# Altium PCB main - Copy.PcbDoc (part 11 of 14)
Units mil, origin at the board's own origin, x right, y up, seen from the top; angles counter-clockwise.
Board outline 8394.55 x 5164.44 mil, 7 copper layers (Top Layer 1, Layer 2, Layer 3, Unused, Layer 4_pow, Layer 5_gnd, Bottom 6+gnd), stack 46.112 mil thick; 406 components, 463 nets, 1919 pads, 903 vias.
Unrouted connection lines stored in the file: 147.
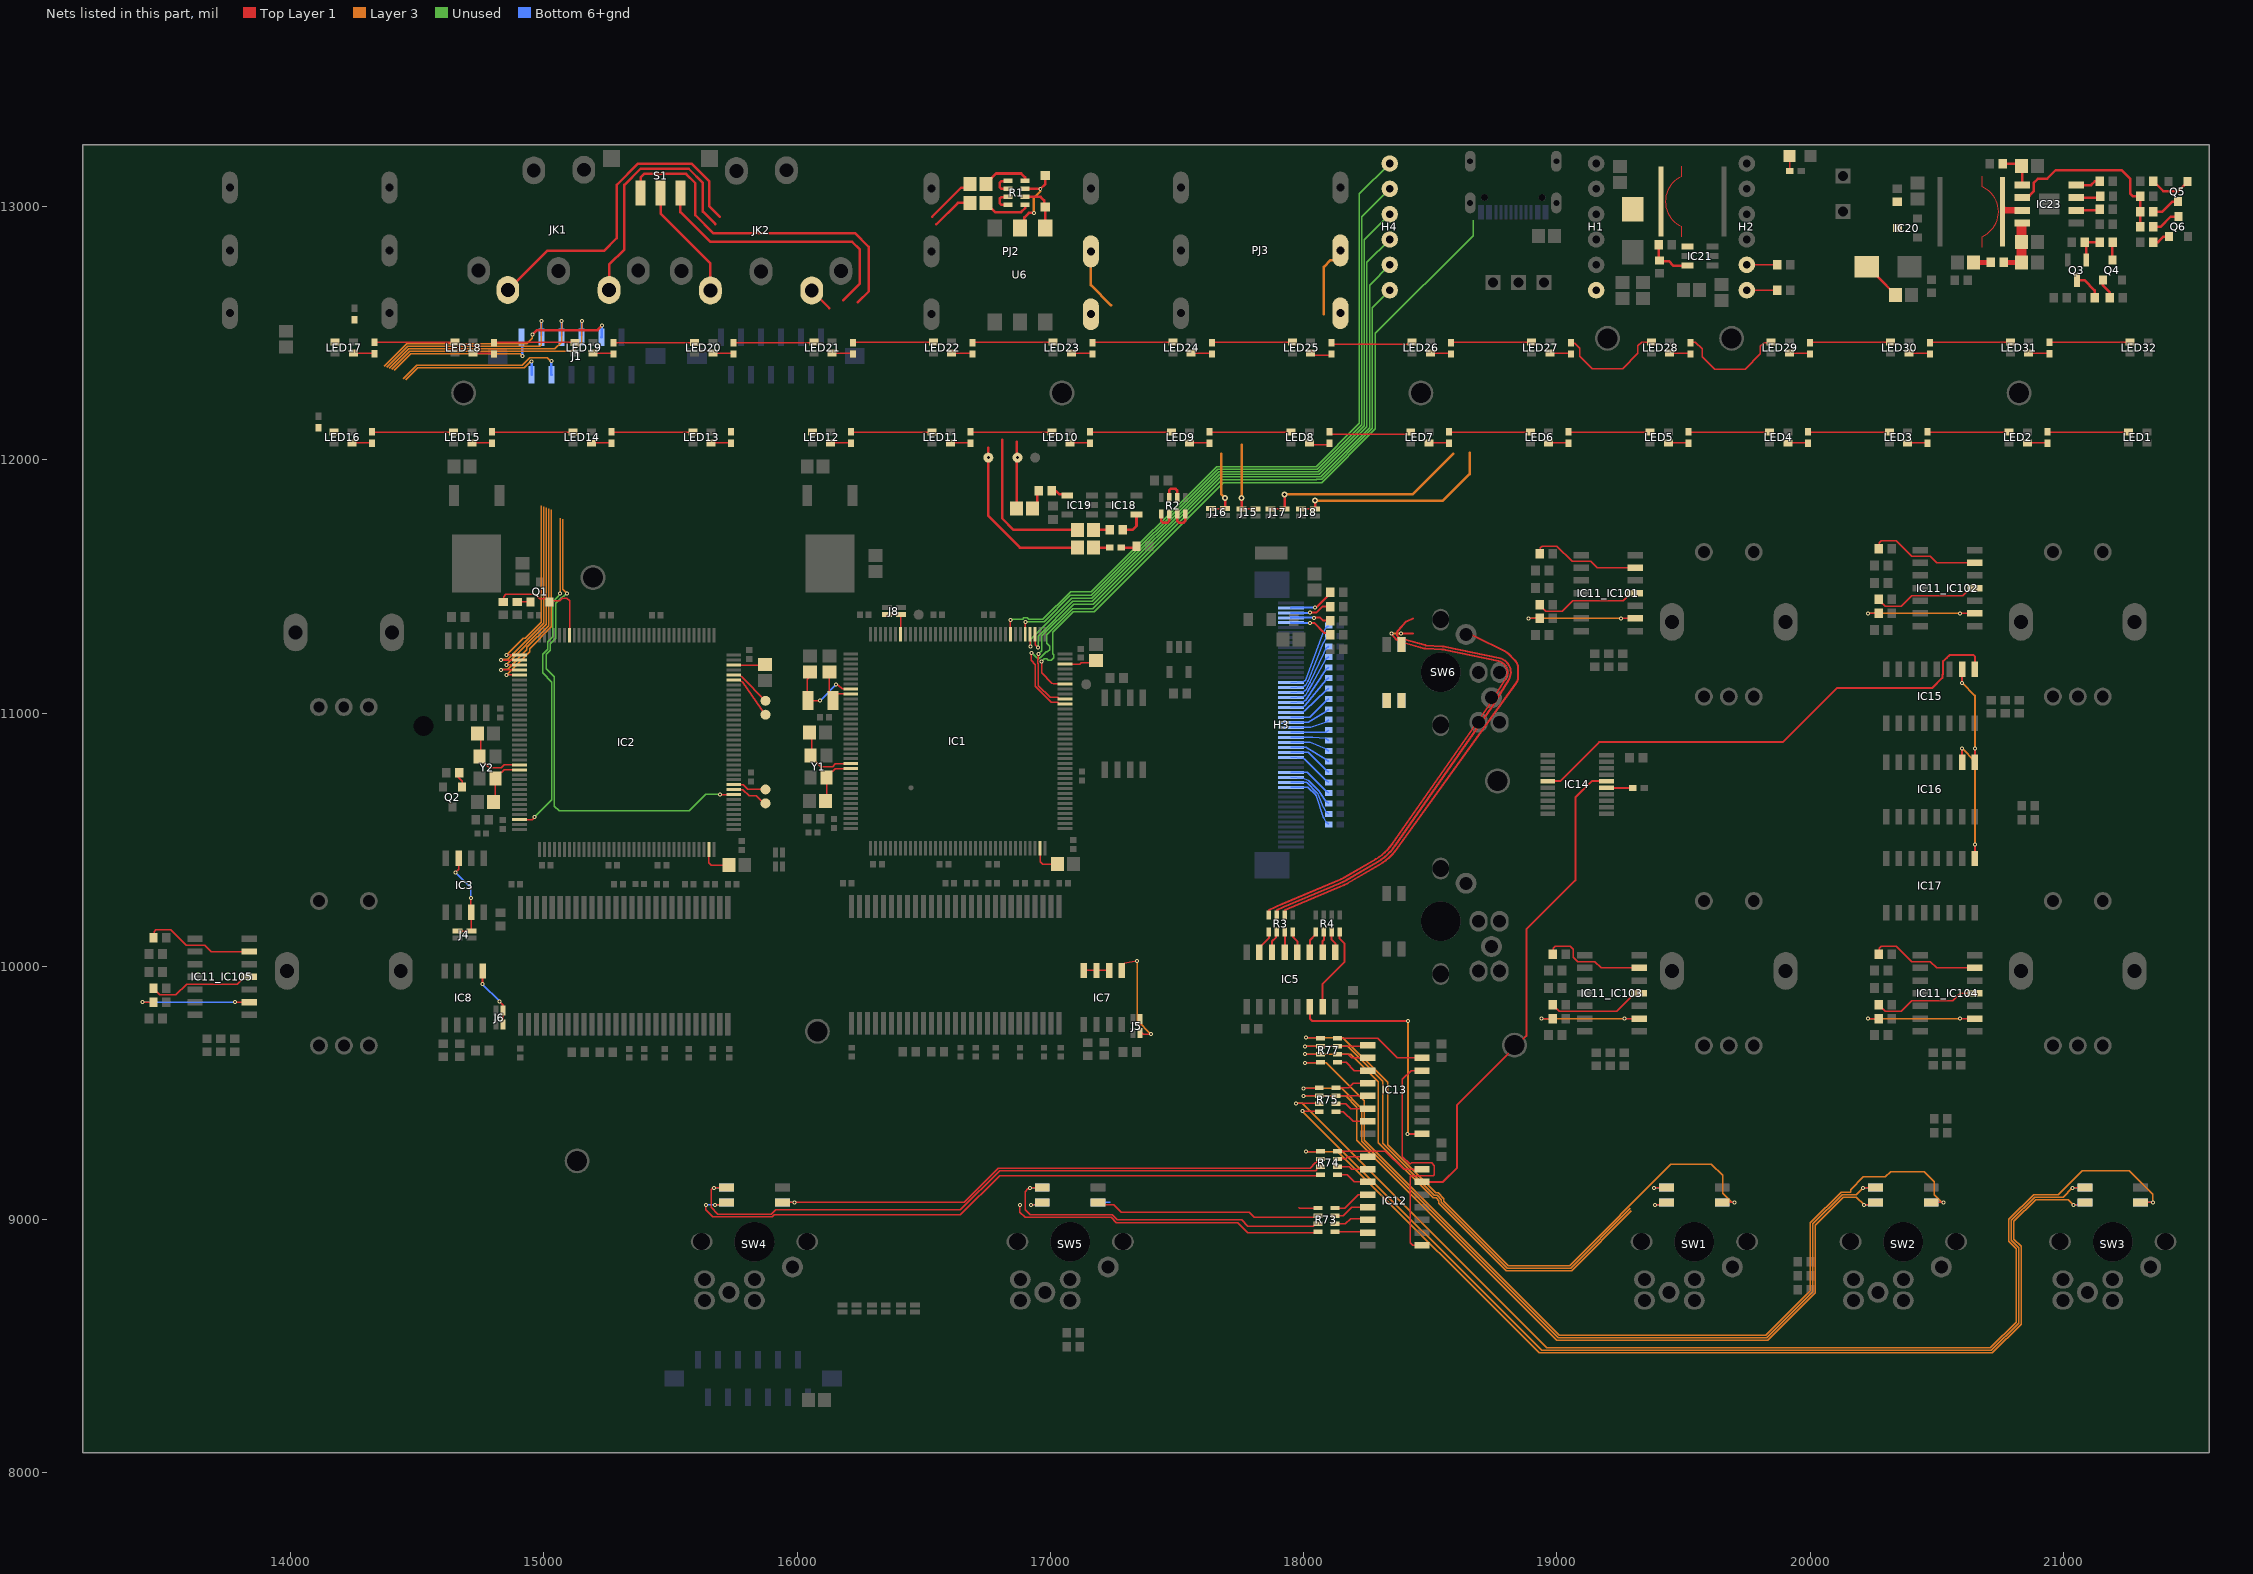
[diagram p15: the nets of this part, all layers, seen from the top]

## Via types
v1: diameter 15.75, hole 7.87, Top Layer 1 to Bottom 6+gnd, tented both sides, 830 vias
v2: diameter 27.56, hole 11.81, Top Layer 1 to Bottom 6+gnd, 45 vias
v3: diameter 23.62/23.62/23.62/23.62/23.62/23.62/23.62 (per signal layer), hole 12, Top Layer 1 to Bottom 6+gnd, tented top, 12 vias
v4: diameter 15.75, hole 7.87, Top Layer 1 to Bottom 6+gnd, 10 vias
v5: diameter 23.62/23.62/23.62/23.62/23.62/23.62/23.62 (per signal layer), hole 12, Top Layer 1 to Bottom 6+gnd, tented bottom, 6 vias

## Nets (pads, with @x,y where several pads share a name; then routed paths per layer and width w, separated by ;. In a path a pad name is that pad's centre, name@x,y a point inside that pad or via, vN(x,y) a via of type N, cw(c..) or ccw(c..) an arc to the next point about the centre after c; other vN are vias at no path point) (continued)
LED_N_B_1: R73.3 SW5.2 | length 1382.3
  Top Layer 1 w5: SW5.2@16967.82,9126.65 16967.04,9125.86 16916.13,9125.86 16911.86,9121.6 16911.56,9121.6 16900,9110.04 16900,9038.82 16920,9018.82 17244.14,9018.82 17264.14,8998.82 17755,8998.82 17780,8973.82 18038.43,8973.82 18047.68,8983.07 R73.3@18056.54,8983.07
  Bottom 6+gnd w5: v1(16919.03,9125.86) 16967.04,9125.86 SW5.2@16967.82,9126.65
LED_N_G_1: R73.4 SW5.1 | length 1303.2
  Top Layer 1 w5: v1(16880,9058.82) 16880,9028.82 16900,9008.82 17240,9008.82 17260,8988.82 17740,8988.82 17780,8948.82 18053.78,8948.82 R73.4@18056.54,8951.57 ; v1(16922.86,9058.82) 16936.68,9058.82
  Bottom 6+gnd w5: v1(16922.86,9058.82) 16959.05,9058.82 SW5.1@16967.82,9067.59
LED_N_R_1: R73.2 SW5.4 | length 943.8
  Top Layer 1 w5: SW5.4@17188.3,9067.59 17197.07,9058.82 17250,9058.82 17280,9028.82 17785,9028.82 17805,9008.82 18050.79,9008.82 R73.2@18056.54,9014.57
  Bottom 6+gnd w5: SW5.4@17188.3,9067.59 17189.33,9068.63 17236.68,9068.63
LED_PLY_B_1: R75.1 SW2.2 | length 3261.2
  Top Layer 1 w5: v1(18000,9518.82) 18059.29,9518.82 R75.1@18061.54,9521.06 ; v1@20203.39,9125.86 v1(20208.7,9125.86) 20256.7,9125.86 SW2.2@20257.49,9126.65
  Layer 3 w5: v1(18000,9518.82) 18150,9518.82 18230,9438.82 18230,9308.82 19005,8533.82 19829.14,8533.82 20010,8714.68 20010,8982.96 20125.86,9098.82 20181.65,9098.82 v1(20208.7,9125.86)
  Bottom 6+gnd w5: v1(20208.7,9125.86) 20256.7,9125.86 SW2.2@20257.49,9126.65
LED_PLY_G_1: R75.2 SW2.1 | length 3216.8
  Top Layer 1 w5: v1(18000,9488.82) 18060.79,9488.82 R75.2@18061.54,9489.57 ; v1(20212.53,9058.82) 20226.34,9058.82
  Layer 3 w5: v1(18000,9488.82) 18165.86,9488.82 18210,9444.68 18210,9313.82 19000,8523.82 19833.28,8523.82 20020,8710.53 20020,8978.82 20130,9088.82 20182.53,9088.82 v1(20212.53,9058.82)
  Bottom 6+gnd w5: v1(20212.53,9058.82) 20248.71,9058.82 SW2.1@20257.49,9067.59
LED_PLY_R_1: R77.4 SW2.4 | length 3728.3
  Top Layer 1 w5: v1(18005,9618.82) 18063.78,9618.82 R77.4@18066.54,9621.57 ; SW2.4@20477.96,9067.59 20479,9068.63 v1(20526.34,9068.63)
  Layer 3 w5: v1(18005,9618.82) 18090,9618.82 18240,9468.82 18240,9312.96 19009.14,8543.82 19825,8543.82 20000,8718.82 20000,8987.1 20121.72,9108.82 20160,9108.82 20160,9118.82 20210,9168.82 20297.1,9168.82 20317.1,9188.82 20450,9188.82 20490,9148.82 20490,9098.82 20521.2,9067.62 20525.34,9067.62 v1(20526.34,9068.63)
  Bottom 6+gnd w5: SW2.4@20477.96,9067.59 20479,9068.63 v1(20526.34,9068.63)
LED_REC_B_1: R77.2 SW1.2 | length 2055.2
  Top Layer 1 w5: v1(18005,9683.82) 18065.79,9683.82 R77.2@18066.54,9684.57 ; v1(19383.59,9125.86) 19431.59,9125.86 SW1.2@19432.38,9126.65
  Layer 3 w5: v1(18005,9683.82) 18175,9683.82 18312.07,9546.75 18312.07,9300.89 18516.52,9096.44 18526.79,9096.44 18543.96,9079.27 18543.96,9069 18804.14,8808.82 19054.14,8808.82 19290,9044.68
  Bottom 6+gnd w5: v1(19383.59,9125.86) 19431.59,9125.86 SW1.2@19432.38,9126.65
LED_REC_G_1: R77.3 SW1.1 | length 2011.9
  Top Layer 1 w5: v1(18005,9653.82) 18065.79,9653.82 R77.3@18066.54,9653.07 ; v1(19387.42,9058.82) 19401.23,9058.82
  Layer 3 w5: v1(18005,9653.82) 18185,9653.82 18295,9543.82 18295,9303.82 18512.38,9086.44 18522.65,9086.44 18533.96,9075.12 18533.96,9064.86 18800,8798.82 19058.28,8798.82 19294.14,9034.68
  Bottom 6+gnd w5: v1(19387.42,9058.82) 19423.6,9058.82 SW1.1@19432.38,9067.59
LED_REC_R_1: R77.1 SW1.4 | length 2638.8
  Top Layer 1 w5: v1(18010,9718.82) 18063.78,9718.82 R77.1@18066.54,9716.06 ; SW1.4@19652.85,9067.59 19653.88,9068.63 v1(19701.23,9068.63)
  Layer 3 w5: v1(18010,9718.82) 18155,9718.82 18331.64,9542.18 18331.64,9295.46 18520.67,9106.44 18530.93,9106.44 18553.96,9083.41 18553.96,9073.14 18808.28,8818.82 19050,8818.82 19450,9218.82 19610,9218.82 19653.94,9174.88 19653.94,9104.88 19689.84,9068.98 19700.88,9068.98 v1(19701.23,9068.63)
  Bottom 6+gnd w5: SW1.4@19652.85,9067.59 19653.88,9068.63 v1(19701.23,9068.63)
LED_SINGLE_1: R73.1 | length 77.7
  Top Layer 1 w5: 17980,9048.82 17982.76,9046.06 R73.1@18056.54,9046.06
LED_STP_B_1: R75.4 SW3.2 | length 4147
  Top Layer 1 w5: v1(17995,9428.82) 18059.29,9428.82 R75.4@18061.54,9426.57 ; v1@21030.16,9125.86 v1(21035.47,9125.86) 21083.47,9125.86 SW3.2@21084.26,9126.65
  Layer 3 w5: v1(17995,9428.82) 18940,8483.82 20715,8483.82 20822.93,8591.75 20822.93,8890.03 20794.14,8918.82 20794.14,8997.1 20885.86,9088.82 20998.42,9088.82 v1(21035.47,9125.86)
  Bottom 6+gnd w5: v1(21035.47,9125.86) 21083.47,9125.86 SW3.2@21084.26,9126.65
LED_STP_G_1: R74.1 SW3.1 | length 4015.5
  Top Layer 1 w5: v1(18010,9268.82) 18064.29,9268.82 R74.1@18066.54,9271.06 ; v1(21039.3,9058.82) 21053.11,9058.82
  Layer 3 w5: v1(18010,9268.82) 18135,9268.82 18930,8473.82 20719.14,8473.82 20832.93,8587.61 20832.93,8894.17 20804.14,8922.96 20804.14,8992.96 20890,9078.82 21019.3,9078.82 v1(21039.3,9058.82)
  Bottom 6+gnd w5: v1(21039.3,9058.82) 21075.48,9058.82 SW3.1@21084.26,9067.59
LED_STP_R_1: R75.3 SW3.4 | length 4611.1
  Top Layer 1 w5: v1(17970,9458.82) 18060.79,9458.82 R75.3@18061.54,9458.07 ; SW3.4@21304.73,9067.59 21305.77,9068.63 v1(21353.11,9068.63)
  Layer 3 w5: v1(17970,9458.82) 17995,9458.82 18960,8493.82 20710.86,8493.82 20812.93,8595.89 20812.93,8885.89 20784.14,8914.68 20784.14,9001.25 20881.72,9098.82 20980,9098.82 21075,9193.82 21260,9193.82 21353.11,9100.7 v1(21353.11,9068.63)
  Bottom 6+gnd w5: SW3.4@21304.73,9067.59 21305.77,9068.63 v1(21353.11,9068.63)
LED_UP_B_1: R3.3 SW6.2 | length 1953.7
  Top Layer 1 w8: 17894.25,10222.28 17920.38,10234.12 cw(c17925.75,10222.28) 17920.65,10234.24 18141.11,10326.65 ccw(c18056.25,10529.09) 18166.74,10339.43 18291.24,10412.08 ccw(c18180.42,10601.98) 18360.75,10476.19 18743.28,11024.57 ccw(c18691.34,11060.81) 18745.06,11027.27 18809.06,11129.87 ccw(c18759.45,11160.81) 18771.53,11218.01 18562.6,11261.95 ccw(c18541.34,11160.81) 18547.4,11263.98 18482.27,11267.83 cw(c18483.09,11281.81) 18479.36,11268.32 18399.17,11290.47 cw(c18401.57,11299.14) 18398.39,11290.72 18379.04,11298.03 cw(c18385,11313.82) 18372.41,11325.06 18405.57,11362.2 18431.1,11374.34
LED_UP_G_1: R3.4 SW6.1 | length 1966.6
  Top Layer 1 w8: 17862.76,10222.28 17915.02,10245.97 cw(c17925.75,10222.28) 17915.63,10246.23 18136.08,10338.64 ccw(c18056.25,10529.09) 18160.19,10350.65 18284.69,10423.31 ccw(c18180.42,10601.98) 18350.09,10483.63 18732.62,11032.01 ccw(c18691.34,11060.81) 18734.05,11034.17 18798.02,11136.75 ccw(c18759.45,11160.81) 18768.8,11205.3 18559.93,11249.23 ccw(c18541.34,11160.81) 18546.66,11251 18481.49,11254.86 cw(c18483.09,11281.81) 18475.9,11255.79 18395.71,11277.94 cw(c18401.57,11299.14) 18393.8,11278.56 18374.44,11285.87 cw(c18385,11313.82) 18361.97,11294.79 v1(18346.28,11313.78) ; v1(18385,11313.82) 18429.63,11313.82 18431.1,11315.28
  Layer 3 w8: v1(18346.28,11313.78) v1(18385,11313.82) v1(18385,11313.82)
LED_UP_R_1: R3.2 SW6.4 | length 1622.6
  Top Layer 1 w8: 17925.75,10222.28 18146.15,10314.67 ccw(c18056.25,10529.09) 18173.29,10328.2 18297.79,10400.85 ccw(c18180.42,10601.98) 18369.49,10466.04 18838.39,11118.22 ccw(c18805.91,11141.57) 18845.91,11141.57 18845.91,11180.06 ccw(c18805.91,11180.06) 18834.2,11208.34 18807.02,11235.52 ccw(c18778.69,11207.28) 18796.67,11243.01 18677.1,11303.14 18651.57,11315.28
LED_Y_B_1: R74.3 SW4.2 | length 2681.4
  Top Layer 1 w5: SW4.2@15721.14,9126.65 15720.36,9125.86 v1(15672.36,9125.86) 15667.05,9125.86 15660,9118.82 15660,9048.82 15687.2,9021.62 15898.2,9021.62 15915.4,9038.82 16645,9038.82 16800,9193.82 18048.39,9193.82 18051.32,9196.75 18051.32,9201.71 18057.68,9208.07 R74.3@18066.54,9208.07
  Bottom 6+gnd w5: v1(15672.36,9125.86) 15720.36,9125.86 SW4.2@15721.14,9126.65
LED_Y_G_1: R74.4 SW4.1 | length 2624.7
  Top Layer 1 w5: v1(15640,9058.82) 15640,9038.82 15667.2,9011.62 15902.34,9011.62 15909.54,9018.82 16645,9018.82 16800,9173.82 18063.78,9173.82 R74.4@18066.54,9176.57 ; v1(15676.18,9058.82) 15690,9058.82
  Bottom 6+gnd w5: v1(15640,9058.82) v1(15676.18,9058.82) 15712.37,9058.82 SW4.1@15721.14,9067.59
LED_Y_R_1: R74.2 SW4.4 | length 2248.4
  Top Layer 1 w5: SW4.4@15941.62,9067.59 15942.65,9068.63 v1(15990,9068.63) 16659.81,9068.63 16795,9203.82 18025.1,9203.82 18045.71,9224.43 18048.63,9224.43 18051.56,9227.36 18051.56,9233.21 18057.92,9239.57 R74.2@18066.54,9239.57
  Bottom 6+gnd w5: SW4.4@15941.62,9067.59 15942.65,9068.63 v1(15990,9068.63)
MISO_1: IC14.5 IC15.9 | length 1980
  Top Layer 1 w8: IC14.5@18964.33,10731.61 19012.8,10731.61 19166.87,10885.69 19891.87,10885.69 20105,11098.82 20481.04,11098.82 20521.8,11139.58 20521.8,11150.61 20525,11153.82 20525,11204.85 20538.58,11218.44 20539.62,11218.44 20550,11228.82 20645,11228.82 20650,11223.82 IC15.9@20650,11173.82
MOSI_1: IC12.14 IC14.16 | length 1966.9
  Top Layer 1 w8: IC12.14@18467.28,9148.82 18550,9148.82 18605,9203.82 18605,9452.05 18878.99,9726.04 18878.99,10146.05 19073,10340.05 19073,10666.82 19137.8,10731.61 IC14.16@19195.67,10731.61
NetC1_1: C1.1 IC1.106 | length 127.8
  Top Layer 1 w5: IC1.106@17057.76,11193.94 17116.83,11193.94 17122.4,11199.51 17172.19,11199.51 C1.1@17180,11207.32
NetC2_1: C2.1 IC2.106 | length 127.8
  Top Layer 1 w5: IC2.106@15749.52,11189.75 15858.37,11189.75 C2.1@15871.76,11203.13
NetC3_2: C3.2 IC1.23 Y1.1 | length 277.5
  Top Layer 1 w5: C3.2@16058.5,10923.82 16058.5,10837.13 Y1.1@16053.5,10832.13 16053.5,10828.19 16092.87,10788.82 16140,10788.82 16151.42,10800.24 IC1.23@16212.24,10800.24
NetC4_2: C4.2 IC2.23 Y2.1 | length 277.5
  Top Layer 1 w5: C4.2@14750.26,10919.63 14750.26,10832.94 Y2.1@14745.26,10827.94 14745.26,10824 14784.63,10784.63 14831.76,10784.63 14843.18,10796.05 IC2.23@14904,10796.05
NetC5_2: C5.2 IC1.24 Y1.3 | length 204.3
  Top Layer 1 w5: C5.2@16116.5,10653.82 Y1.3@16116.5,10745.51 16116.5,10749.45 16137.62,10770.57 16141.56,10770.57 16151.54,10780.55 IC1.24@16212.24,10780.55
NetC6_2: C6.2 IC2.24 Y2.3 | length 204.3
  Top Layer 1 w5: C6.2@14808.26,10649.63 Y2.3@14808.26,10741.32 14808.26,10745.26 14829.38,10766.38 14833.31,10766.38 14843.29,10776.36 IC2.24@14904,10776.36
NetC9_2: C9.2 IC1.71 | length 135.2
  Top Layer 1 w5: IC1.71@16960,10466.26 IC1.71@16959.8,10466.06 16959.8,10414.01 16970,10403.82 C9.2@17038.5,10403.82
NetC10_2: C10.2 IC2.71 | length 135
  Top Layer 1 w5: IC2.71@15651.56,10461.87 15651.56,10409.83 15661.76,10399.63 C10.2@15730.26,10399.63
NetC67_2: C67.2 IC1.8 Y3.2 | length 296.6
  Top Layer 1 w5: Y3.2@16040.75,11052.67 16040.75,11134.44 C67.2@16050.98,11144.66 ; Y3.2@16043.87,11050.2 16044.34,11049.74 v1(16089.83,11049.74) ; v1(16153.3,11112.31) 16155.25,11110.36 16163.09,11110.36 16177.93,11095.51 IC1.8@16212.24,11095.51
  Bottom 6+gnd w5: v1@16090.83,11049.74 v1@16153.3,11112.21
NetC68_2: C68.2 IC1.9 Y3.1 | length 182.6
  Top Layer 1 w5: C68.2@16126.41,11145 16126.41,11065.43 16139.18,11052.67 16139.18,11056.67 16158.33,11075.83 IC1.9@16212.24,11075.83
NetC92_2: C92.2 D2.2 IC20.3 R18.2 | length 164
  Top Layer 1 w10: D2.2@20222.72,12762.1 20228.63,12762.1 20265.95,12724.78 20265.95,12723.54 20337.52,12651.97 C92.2@20337.52,12650
  Top Layer 1 w25: R18.2@20344.02,13020 R18.2@20344.33,13019.68 ; IC20.3@20344.33,12915.32 IC20.3@20344.65,12915
NetC93_2: C93.2 C94.2 IC23.8 R53.2 | length 210
  Top Layer 1 w20: R53.2@20764.02,12780 C94.2@20834.02,12780
  Top Layer 1 w40: C94.2@20834.02,12780 C93.2@20834.02,12860 20834.02,12920
NetC95_2: C95.2 R53.1 | length 68.8
  Top Layer 1 w20: C95.2@20644.02,12780 R53.1@20712.83,12780
NetC96_2: C96.2 IC23.5 R125.1 | length 154.9
  Top Layer 1 w10: R125.1@20759.61,13170 20824.02,13170 C96.2@20834.02,13160 20837.24,13156.77 IC23.5@20837.24,13085
NetD1_1: D1.1 R1.7 U6.2 | length 310.1
  Top Layer 1 w10: U6.2@16880,12915.04 16897.65,12932.69 16897.65,12957.65 16915,12975 v1(16935,12975) ; R1.7@16900,13070 v1(16960,13070) 16980,13090 D1.1@16980,13122.01
  Layer 3 w10: v1(16935,12975) 16935,13035 16960,13060
NetD1_2: D1.2 R1.6 U6.1 | length 192.6
  Top Layer 1 w10: R1.6@16900,13038.5 16961.5,13038.5 16975.15,13024.85 16975.15,13002.84 D1.2@16980,12997.99 U6.1@16980,12915.04
NetD3_1: D3.1 IC21.1 L1.2
NetD4_1: D4.1 R132.1 | length 60.6
  Top Layer 1 w5: D4.1@19918.66,13200 19920,13198.66 R132.1@19920,13140
NetFB1_1: FB1.1 JK1.5 | length 1150.1
  Top Layer 1 w10: JK1.5@15257.75,12670.5 15257.75,12770.5 15317.75,12830.5 15317.75,13085.5 15381.73,13149.48 15572.16,13149.48 15627.75,13093.89 15627.75,12980.5 15677.54,12930.71 ; 16550.21,12930.21 16635,13015 FB1.1@16682.01,13015
NetFB1_2: FB1.2 R1.5 | length 191.1
  Top Layer 1 w10: FB1.2@16745,13014.62 16745,13013.03 16765.59,12992.44 16767.18,12992.44 16781.73,12977.89 16884.39,12977.89 16900,12993.5 R1.5@16900,13007.01
NetFB2_1: FB2.1 JK1.4 | length 1513.8
  Top Layer 1 w10: JK1.4@14857.75,12670.5 15012.75,12825.5 15237.75,12825.5 15287.75,12875.5 15287.75,13085.5 15372.27,13170.02 15583.23,13170.02 15653.42,13099.83 15653.42,13000.95 15693.87,12960.5 ; 16532.82,12960 16647.28,13074.46 16666.47,13074.46 FB2.1@16682.01,13090
NetFB2_2: FB2.2 R1.8 | length 192.9
  Top Layer 1 w10: FB2.2@16745,13090 16745,13091.97 16765.59,13112.56 16767.56,13112.56 16785.61,13130.61 16884.39,13130.61 16900,13115 R1.8@16900,13101.5
NetFB3_1: FB3.1 R102.2 | length 65
  Top Layer 1 w10: FB3.1@17170,11723.82 R102.2@17235,11723.82
NetFB3_2: FB3.2 S1.3 | length 1697.4
  Top Layer 1 w10: S1.3@15539.4,13053.69 15539.4,12978.55 15657.45,12860.5 16217.75,12860.5 16247.75,12830.5 16247.75,12695.5 16182.75,12630.5 ; 16810,12078.82 16810,11768.82 16855,11723.82 FB3.2@17107.01,11723.82
NetFB4_1: FB4.1 R104.2 | length 65
  Top Layer 1 w10: FB4.1@17170,11653.82 R104.2@17235,11653.82
NetFB4_2: FB4.2 JK2.5 TP9.1 | length 770.7
  Top Layer 1 w10: JK2.5@16057.75,12668.5 16127.75,12598.5 ; 16755,12046.82 16755,11778.91 16880.09,11653.82 FB4.2@17107.01,11653.82
  other v5: 16755,12008.82
NetFB5_1: FB5.1 R105.2 | length 79.9
  Top Layer 1 w10: FB5.1@16930,11808.62 16947.68,11826.3 16947.68,11872.48 R105.2@16953.82,11878.62
NetFB5_2: FB5.2 S1.1 TP7.1 | length 1659.3
  Top Layer 1 w10: S1.1@15381.92,13053.69 15381.89,13114.74 15396.22,13129.07 15561.27,13129.07 15597.75,13092.59 15597.75,12966.46 15668.71,12895.5 16227.75,12895.5 16282.75,12840.5 16282.75,12665.5 16239.76,12622.51 ; FB5.2@16867.01,11808.62 16867.01,12070.83
  other v5: 16870,12008.82
NetH2_5: H2.5 R135.2 | length 120.2
  Top Layer 1 w5: H2.5@19749.81,12770 R135.2@19870,12770
NetH2_6: H2.6 R136.2 | length 120.2
  Top Layer 1 w5: H2.6@19749.81,12670 R136.2@19870,12670
NetH3_13: H3.13 R40.1 | length 239.7
  Bottom 6+gnd w5: H3.13@17950,10707.28 18015.39,10707.28 cw(c18015.39,10702.28) 18018.9,10705.84 18045.51,10679.23 cw(c18034.63,10668.37) 18049.19,10673.31 18078.13,10587.97 ccw(c18085.24,10590.38) 18078.66,10586.78 18087.74,10570.19 R40.1@18100,10560.87
NetH3_14: H3.14 R41.1 | length 217.5
  Bottom 6+gnd w5: H3.14@17950,10726.97 18009.85,10726.97 cw(c18009.85,10721.97) 18013.36,10725.52 18052.64,10686.24 cw(c18034.63,10668.37) 18058.1,10678.02 18078.3,10628.84 ccw(c18085.24,10631.69) 18078.66,10628.09 18087.74,10611.5 R41.1@18100,10602.19
NetH3_15: H3.15 R54.1 | length 193.4
  Bottom 6+gnd w5: H3.15@17950,10746.65 17998.68,10743.25 18015.87,10735.7 cw(c18009.85,10721.97) 18020.43,10732.59 18059.71,10693.31 cw(c18034.63,10668.37) 18063.97,10688.13 18087.74,10652.82 R54.1@18100,10643.5
NetH3_16: H3.16 R55.1 | length 182.8
  Bottom 6+gnd w5: H3.16@17950,10766.34 18013.46,10766.34 cw(c18013.46,10761.34) 18016.98,10764.89 18087.74,10694.13 R55.1@18100,10684.82
NetH3_19: H3.19 R56.1 | length 188.6
  Bottom 6+gnd w5: H3.19@17950,10825.39 17998.68,10821.99 18005.13,10817.99 cw(c18001.18,10811.61) 18006.49,10816.91 18087.74,10735.45 R56.1@18100,10726.14
NetH3_20: H3.20 R57.1 | length 181.2
  Bottom 6+gnd w5: H3.20@17950,10845.08 18017.35,10845.08 cw(c18017.35,10840.08) 18020.87,10843.63 18087.74,10776.76 R57.1@18100,10767.45
NetH3_21: H3.21 R58.1 | length 166.3
  Bottom 6+gnd w5: H3.21@17950,10864.76 18010.29,10864.76 cw(c18010.29,10859.76) 18012.91,10864.03 18087.74,10818.08 R58.1@18100,10808.77
NetH3_22: H3.22 R59.1 | length 157.9
  Bottom 6+gnd w5: H3.22@17950,10884.45 18023.96,10884.45 cw(c18023.96,10879.45) 18025.79,10884.1 18087.74,10859.4 R59.1@18100,10850.08
NetH3_23: H3.23 R60.1 | length 153.2
  Bottom 6+gnd w5: H3.23@17950,10904.13 18034.77,10904.13 cw(c18034.77,10899.13) 18035.06,10904.13 18087.74,10900.71 R60.1@18100,10891.4
NetH3_24: H3.24 R61.1 | length 152.9
  Bottom 6+gnd w5: H3.24@17950,10923.82 18087.74,10923.82 R61.1@18100,10932.71
NetH3_25: H3.25 R62.1 | length 156.7
  Bottom 6+gnd w5: H3.25@17950,10943.5 18025.87,10943.5 ; 18025.91,10943.51 ccw(c18025.84,10948.51) 18027.48,10943.78 18087.74,10964.72 R62.1@18100,10974.03
NetH3_26: H3.26 R63.1 | length 165.1
  Bottom 6+gnd w5: H3.26@17950,10963.19 18015.98,10963.19 ccw(c18015.95,10968.19) 18018.55,10963.92 18087.74,11006.04 R63.1@18100,11015.35
NetH3_27: H3.27 R64.1 | length 179.6
  Bottom 6+gnd w5: H3.27@17950,10982.87 18021.19,10982.87 ; 18021.22,10982.88 ccw(c18021.16,10987.88) 18024.69,10984.34 18087.74,11047.35 R64.1@18100,11056.66
NetH3_28: H3.28 R65.1 | length 185.9
  Bottom 6+gnd w5: H3.28@17950,11002.56 17998.68,11005.97 18005.13,11009.96 ccw(c18001.18,11016.34) 18006.36,11010.92 18087.74,11088.67 R65.1@18100,11097.98
NetH3_29: H3.29 R66.1 | length 201.8
  Bottom 6+gnd w5: H3.29@17950,11022.24 17998.68,11025.65 18005.13,11029.65 ccw(c18001.18,11036.03) 18006.99,11031.28 18087.74,11129.98 R66.1@18100,11139.29
NetH3_30: H3.30 R67.1 | length 219.2
  Bottom 6+gnd w5: H3.30@17950,11041.93 17998.68,11045.34 18005.13,11049.33 ccw(c18001.18,11055.71) 18007.41,11051.53 18087.74,11171.3 R67.1@18100,11180.61
NetH3_31: H3.31 R68.1 | length 237.6
  Bottom 6+gnd w5: H3.31@17950,11061.61 17998.68,11065.02 18005.13,11069.02 ccw(c18001.18,11075.4) 18007.64,11071.59 18016.25,11086.19 18033.48,11115.4 ccw(c18001.18,11134.45) 18033.9,11116.12 18087.74,11212.61 R68.1@18100,11221.92
NetH3_32: H3.32 R69.1 | length 256.9
  Bottom 6+gnd w5: H3.32@17950,11081.3 17998.68,11084.71 18005.13,11088.7 ccw(c18001.18,11095.08) 18007.64,11091.27 18024.87,11120.48 ccw(c18001.18,11134.45) 18026.18,11122.98 18078.42,11236.86 cw(c18085.24,11233.74) 18078.66,11237.34 18087.74,11253.93 R69.1@18100,11263.24
NetH3_33: H3.33 R70.1 | length 276.6
  Bottom 6+gnd w5: H3.33@17950,11100.98 17998.68,11104.39 18005.13,11108.39 ccw(c18001.18,11114.77) 18007.64,11110.96 18016.25,11125.56 ccw(c18001.18,11134.45) 18017.4,11127.87 18078.29,11277.87 cw(c18085.24,11275.05) 18078.66,11278.65 18087.74,11295.25 R70.1@18100,11304.56
NetH3_34: H3.34 R71.1 | length 296.5
  Bottom 6+gnd w5: H3.34@17950,11120.67 17998.68,11124.08 18005.13,11128.07 ccw(c18001.18,11134.45) 18008.21,11131.82 18078.21,11319 cw(c18085.24,11316.37) 18078.66,11319.97 18087.74,11336.56 R71.1@18100,11345.87
NetH3_46: H3.46 R42.1 | length 174.4
  Top Layer 1 w8: v1(18024.85,11356.23) 18041.17,11356.23 18080.42,11316.98 18098.75,11316.98 R42.1@18105.42,11310.32
  Bottom 6+gnd w8: H3.46@17950,11356.89 17997.18,11356.23 v1(18024.85,11356.23)
NetH3_47: H3.47 R43.1 | length 160.7
  Top Layer 1 w8: v1(18040.87,11376.39) 18041.47,11376.98 18065.42,11376.98 18077.08,11365.32 R43.1@18105.42,11365.32
  Bottom 6+gnd w8: H3.47@17950,11376.57 17950.21,11376.78 18040.47,11376.78 v1(18040.87,11376.39)
NetH3_48: H3.48 R44.1 | length 165.4
  Top Layer 1 w8: v1(18025.42,11396.98) 18050.42,11396.98 18073.75,11420.32 R44.1@18105.42,11420.32
  Bottom 6+gnd w8: H3.48@17950,11396.26 18024.69,11396.26 v1(18025.42,11396.98)
NetH3_49: H3.49 R45.1 | length 182.9
  Top Layer 1 w8: v1(18045.42,11416.98) 18046.9,11418.47 18050.64,11418.47 18092.69,11460.51 18092.69,11464.25 R45.1@18105.42,11476.98
  Bottom 6+gnd w8: H3.49@17950,11415.94 17950.52,11416.46 18044.9,11416.46 v1(18045.42,11416.98)
NetIC1_138: IC1.138 J8.1 J8.3 | length 132.9
  Top Layer 1 w5: J8.3@16354.88,11388.82 J8.1@16410,11388.82 16408.62,11387.44 IC1.138@16408.62,11311.57